# KiCad board Wrap030-ITX.kicad_pcb (continued)
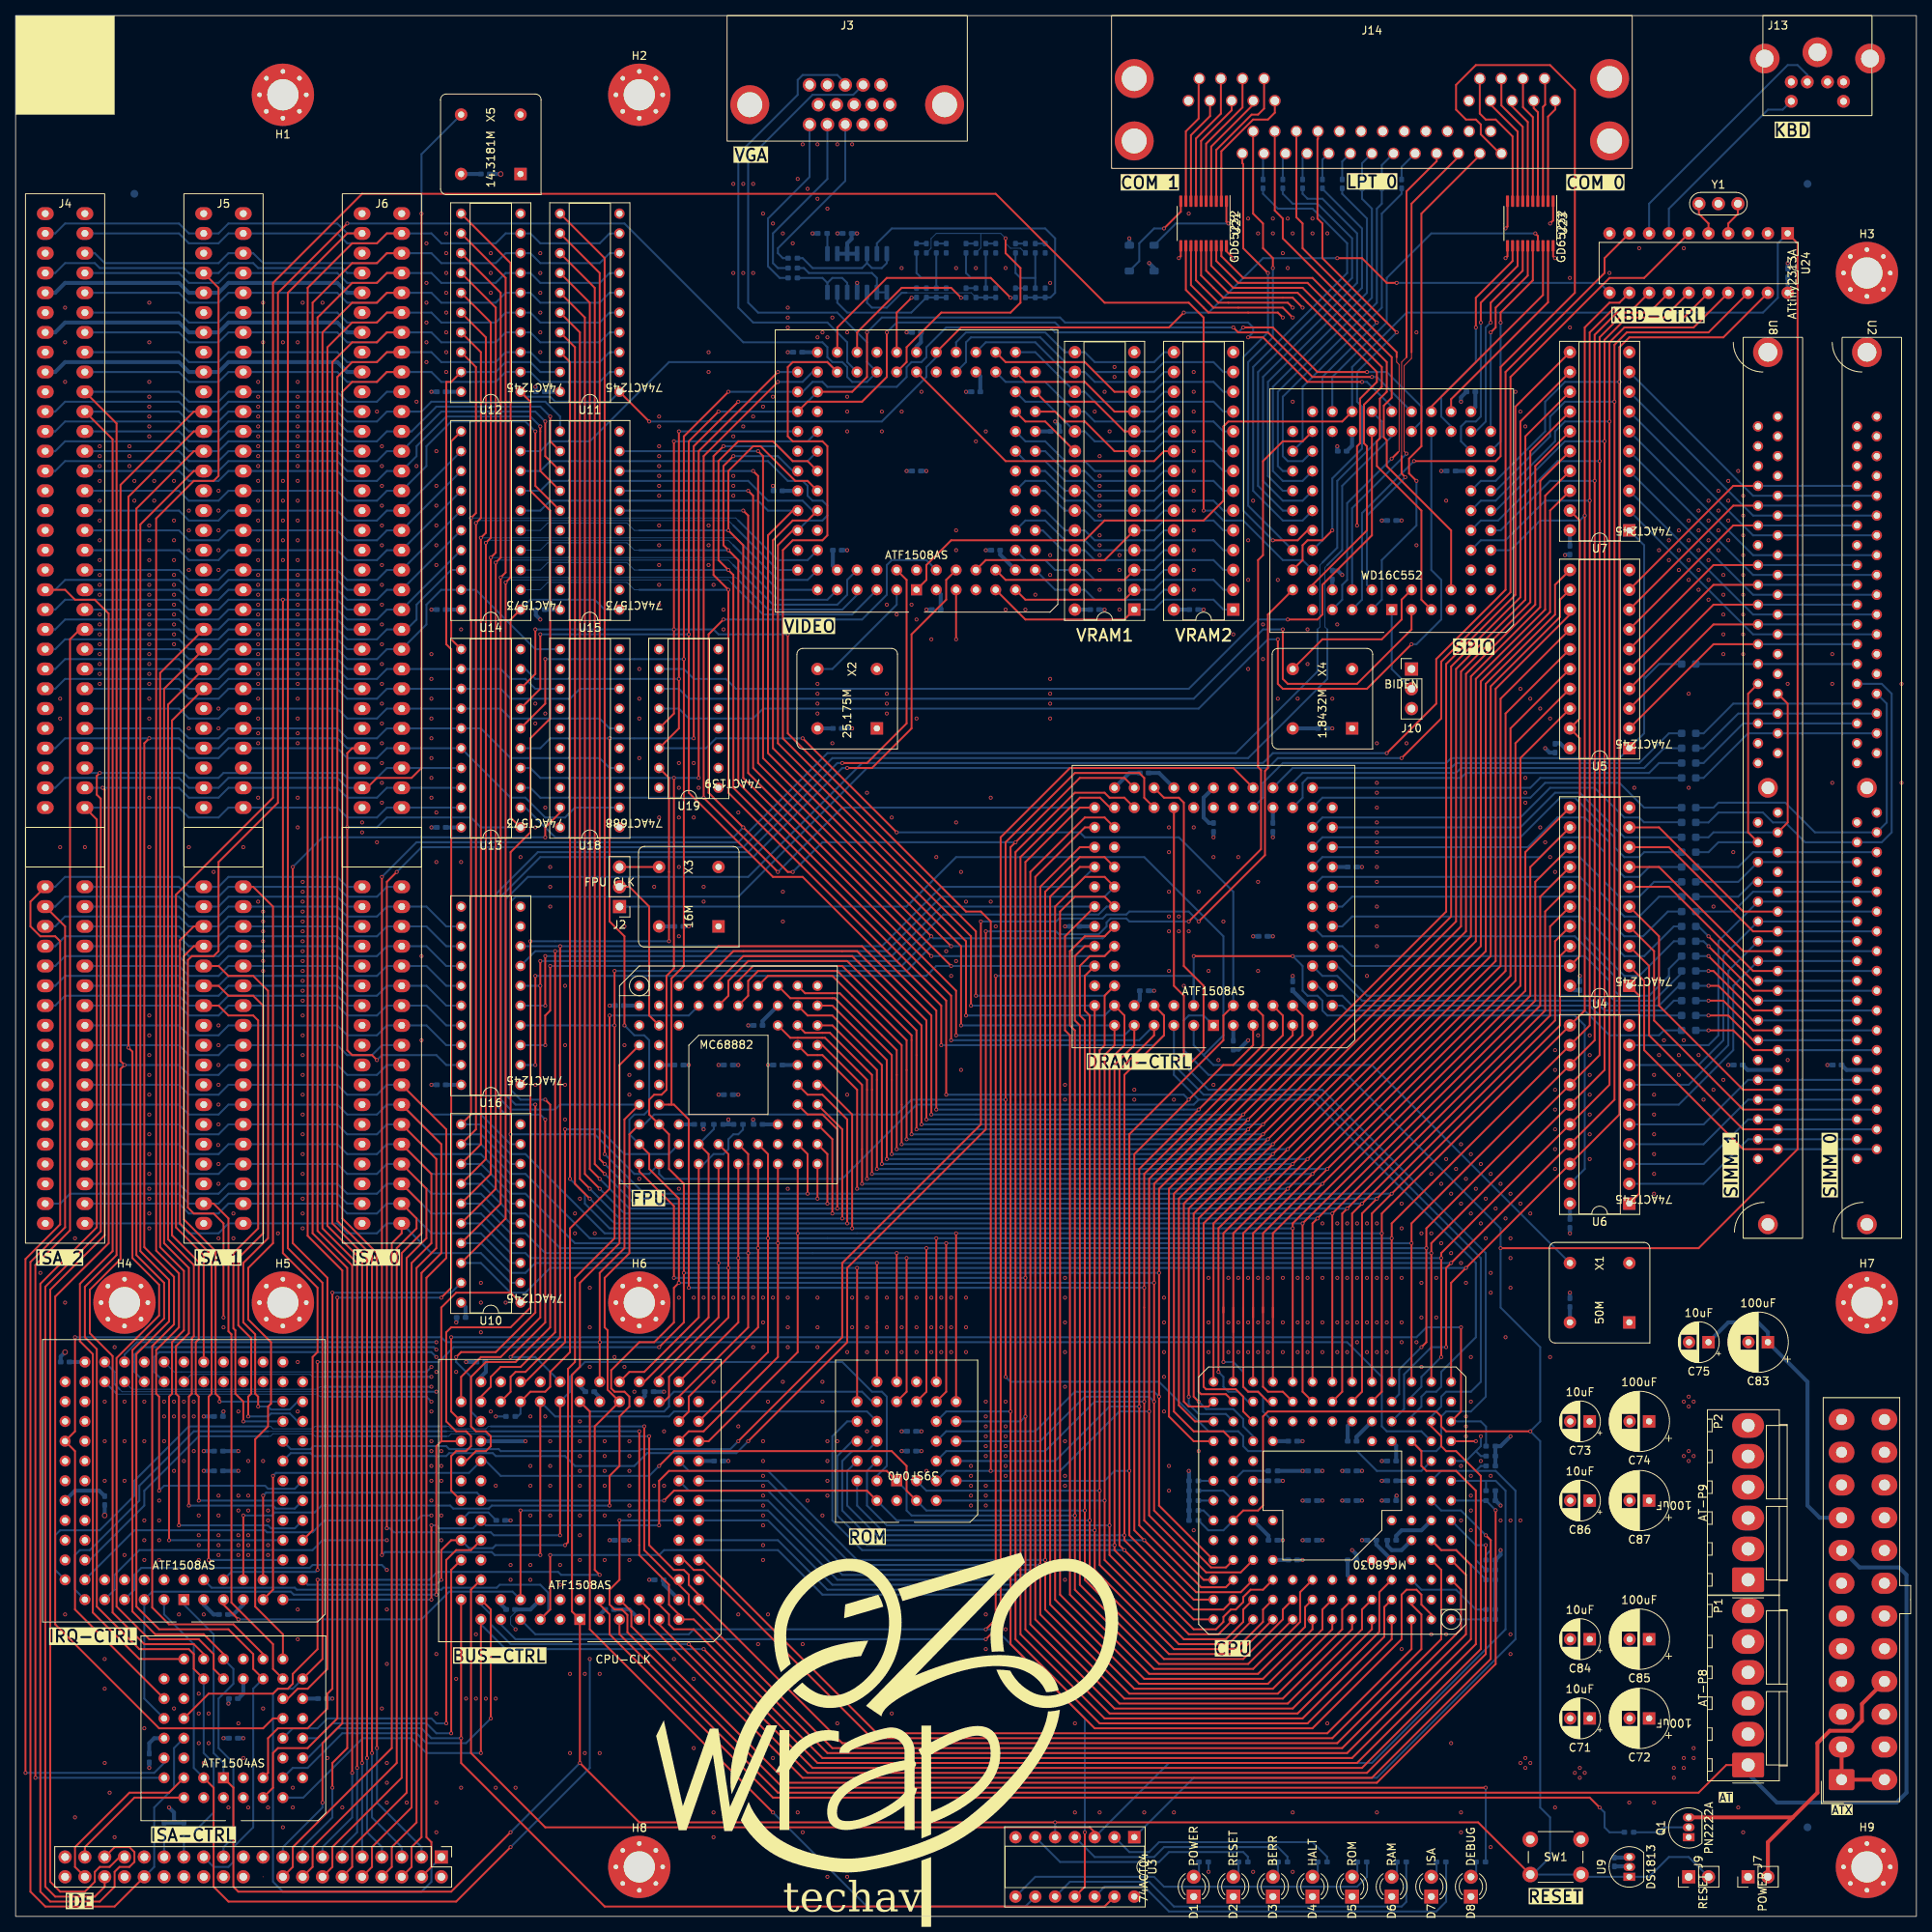
[diagram p0: board, top side]
## Routing (per net, layer and track width the routed paths; a pad name or vN(x,y) marks a point on that pad's centre or on a via; arc(x,y) is an arc through that point) (continued)
  Bottom w0.254: U32.18 35.81,49.78 32.77,49.78 32.38,50.17 v1(20.95,50.17) ; J4.23 5.08,162.56 6.35,163.83 20.95,163.83 22.23,162.56 J5.23 26.03,162.56 27.3,163.83 41.27,163.83 42.54,162.56 J6.23
ISA-IRQ6: length 178.6
  Top w0.254: v1(19.69,48.26) 19.69,66.68 20.07,67.06 20.07,73.66 21.59,75.18 21.59,82.8 18.54,85.85 18.54,159.51 J5.22
  Bottom w0.254: J6.22 42.54,165.1 41.27,166.37 27.3,166.37 26.03,165.1 J5.22 22.23,165.1 20.95,166.37 6.35,166.37 5.08,165.1 J4.22 ; v1(19.69,48.26) U32.17
ISA-IRQ7: length 166
  Top w0.254: U32.16 38.1,49.53 38.1,71.75 38.73,72.39 38.73,80.65 34.29,85.09 v1(34.29,168.91)
  Bottom w0.254: J6.21 42.54,167.64 41.27,168.91 v1(34.29,168.91) 27.3,168.91 26.03,167.64 J5.21 22.23,167.64 20.95,168.91 6.35,168.91 5.08,167.64 J4.21
ISA-IRQ10: length 137.4
  Top w0.254: J5.65 22.86,127 21.08,125.22 21.08,88.9 25.15,84.84 25.15,67.06 24.77,66.68 v1(24.77,45.72)
  Bottom w0.254: J4.65 5.08,127 6.35,128.27 20.95,128.27 22.23,127 J5.65 26.03,127 27.3,128.27 41.27,128.27 42.54,127 J6.65 ; U32.15 v1(24.77,45.72)
ISA-IRQ11: length 113
  Top w0.254: v1(26.16,66.04) 26.16,66.55 25.65,67.06 25.65,85.34 21.59,89.41 21.59,123.19 22.86,124.46 J5.66
  Bottom w0.254: J4.66 5.08,124.46 6.35,125.73 20.95,125.73 22.23,124.46 J5.66 26.03,124.46 27.3,125.73 41.27,125.73 42.54,124.46 J6.66 ; v1(26.16,66.04) U32.31
ISA-IRQ12: length 114.1
  Top w0.254: v1(31.12,65.41) 31.12,66.68 30.73,67.06 30.73,74.68 29.21,76.2 29.21,83.82 32.38,87 32.38,118.75 30.48,120.65 27.3,120.65 26.03,121.92 J5.67
  Bottom w0.254: J4.67 5.08,121.92 6.35,123.19 20.95,123.19 22.23,121.92 J5.67 26.03,121.92 27.3,123.19 41.27,123.19 42.54,121.92 J6.67 ; v1(31.12,65.41) 32.38,65.41 32.77,65.02 35.18,65.02 36.2,66.04 U32.30
ISA-IRQ14: length 108.9
  Top w0.254: v1(29.21,63.5) 29.21,66.04 28.19,67.06 28.19,75.18 27.94,75.44 27.94,85.09 31.12,88.27 31.12,114.94 30.48,115.57 27.3,115.57 26.03,116.84 J5.69
  Bottom w0.254: v1(29.21,63.5) U32.29 ; J4.69 5.08,116.84 6.35,118.11 20.95,118.11 22.23,116.84 J5.69 26.03,116.84 27.3,118.11 41.27,118.11 42.54,116.84 J6.69
ISA-IRQ15: length 113.8
  Top w0.254: v1(29.84,64.14) 29.84,66.68 30.23,67.06 30.23,74.17 28.57,75.82 28.57,84.46 31.75,87.63 31.75,116.84 30.48,118.11 27.3,118.11 26.03,119.38 J5.68
  Bottom w0.254: U32.28 36.2,63.5 35.18,64.52 32.77,64.52 32.38,64.14 v1(29.84,64.14) ; J4.68 5.08,119.38 6.35,120.65 20.95,120.65 22.23,119.38 J5.68 26.03,119.38 27.3,120.65 41.27,120.65 42.54,119.38 J6.68
PWR_OK: length 217.6
  Top w0.254: GLUE1.5 77.47,36.19 97.79,15.88 215.9,15.88 219.44,19.42 P1.1
  Bottom w0.508: J8.8 234.36,46.94 236.54,44.77 241.62,44.77 242.57,43.81 242.57,15.88 241.3,14.61 225.94,14.61 222.25,18.3 P1.1
PWR_ON_L: length 146.8
  Top w0.254: v1(203.2,13.97) 201.93,15.24 97.16,15.24 76.2,36.19 76.2,38.74 74.93,40 GLUE1.4
  Bottom w0.254: v1(203.2,13.97) 203.83,13.34 203.83,11.43 204.47,10.8 R4.1
R/~{W}: length 554.9
  Top w0.254: 54.61,60.96 54.61,78.11 56.51,80.01 63.5,80.01 ; 54.61,60.96 53.98,60.33 v1(53.98,41.28) ; 54.61,60.96 GLUE1.58 ; U12.1 66.04,194.31 66.04,182.88 68.58,180.34 68.58,153.67 66.04,151.13 66.04,139.06 63.5,136.53 v1(63.5,100.33) 63.5,80.01 ; 63.5,80.01 U10.1 ; VGEN1.41 121.28,203.84 147.95,203.84 v1(149.86,205.74) ; v1(81.28,191.77) U11.1 ; v1(177.16,209.55) 175.89,209.55 172.72,212.73 v1(169.54,212.73)
  Bottom w0.254: v1(63.5,100.33) 74.29,100.33 79.38,95.25 81.28,95.25 U1.K2 82.55,95.25 83.19,94.62 106.04,94.62 115.57,104.14 151.13,104.14 151.76,104.78 ; U11.1 76.2,194.31 69.22,194.31 68.58,194.94 65.41,194.94 U12.1 ; v1(81.28,191.77) 111.12,191.77 116.84,197.49 116.84,198.75 118.11,200.03 VGEN1.41 ; 151.76,104.78 148.59,107.95 RAMC1.81 ; 151.76,104.78 166.37,104.78 187.32,83.82 187.32,74.3 182.88,69.85 182.88,67.94 182.25,67.31 180.97,67.31 180.34,66.68 180.34,65.41 179.07,64.14 CPU1.L3 ; U17.33 16.51,27.94 U32.81 17.53,41.66 35.31,41.66 35.69,41.28 v1(53.98,41.28) ; v1(149.86,205.74) 153.03,205.74 160.02,212.73 v1(169.54,212.73) ; v1(177.16,209.55) 203.2,209.55 U24.11
SIZ0: length 332.5
  Top w0.254: v1(149.22,109.86) 149.86,110.49 149.86,118.11 148.59,119.38 RAMC1.48 ; v1(86.36,34.93) 102.23,19.05 172.72,19.05 187.96,34.29 187.96,56.52 184.78,59.69 183.51,59.69 182.88,60.33 182.88,61.59 181.61,62.87 CPU1.L2 ; v1(60.96,25.4) 60.96,39.37 GLUE1.76
  Bottom w0.254: v1(149.22,109.86) 149.22,108.59 152.4,105.41 167,105.41 187.96,84.46 187.96,68.58 186.69,67.31 183.51,67.31 182.88,66.68 182.88,65.41 181.61,64.14 CPU1.L2 ; v1(86.36,34.93) 63.5,34.93 60.96,37.47 60.96,38.74 59.69,40 GLUE1.76 ; U17.8 35.56,19.05 37.46,19.05 41.91,23.5 51.43,23.5 52.71,22.22 57.79,22.22 v1(60.96,25.4)
SIZ1: length 342.3
  Top w0.254: v1(150.5,109.22) 152.4,111.12 152.4,119.38 149.86,121.92 149.86,142.88 149.22,143.51 147.32,143.51 RAMC1.49 ; v1(59.69,20.96) GLUE1.75 ; v1(88.26,34.29) 102.87,19.69 172.08,19.69 187.32,34.93 187.32,54.61 184.78,57.15 180.97,57.15 180.34,57.78 180.34,59.69 CPU1.K3
  Bottom w0.254: CPU1.K3 180.34,59.69 182.25,59.69 182.88,60.33 182.88,64.14 183.51,64.77 186.69,64.77 188.59,66.68 188.59,85.09 167.64,106.05 153.03,106.05 150.5,108.59 v1(150.5,109.22) ; GLUE1.75 59.69,37.47 62.87,34.29 v1(88.26,34.29) ; U17.6 36.91,15.24 44.53,22.86 50.8,22.86 52.71,20.96 v1(59.69,20.96)
SPIO-INT0: length 239.2
  Top w0.254: v1(150.5,127.64) 159.77,136.91 159.77,147.07 159.38,147.45 159.38,173.99 160.02,174.62 160.02,186.69 162.56,189.23 165.1,189.23 U20.45 ; v1(124.46,126.37) 124.46,100.97 106.68,83.19 106.68,73.66 v1(93.98,60.96)
  Bottom w0.254: v1(93.98,60.96) 92.46,59.44 81.03,59.44 79.38,57.78 71.75,57.78 70.48,59.06 61.6,59.06 61.21,59.44 55.63,59.44 55.24,59.06 38.23,59.06 37.85,59.44 35.31,59.44 U32.25 ; v1(150.5,127.64) 142.88,127.64 142.49,128.02 140.46,128.02 139.95,127.51 139.95,127 138.94,125.98 133.86,125.98 133.48,126.37 v1(124.46,126.37)
SPIO-INT1: length 215.9
  Top w0.254: v1(92.71,60.96) 106.04,74.3 106.04,83.82 123.82,101.6 v1(123.82,127.64) ; U20.60 160.66,167 160.66,147.32 160.27,146.94 160.27,136.14 v1(151.76,127.64)
  Bottom w0.254: v1(123.82,127.64) 133.48,127.64 133.86,128.02 139.45,128.02 139.95,128.52 142.49,128.52 142.88,128.91 150.5,128.91 v1(151.76,127.64) ; U32.27 35.31,59.94 37.85,59.94 38.23,60.33 55.24,60.33 55.63,59.94 61.98,59.94 62.23,59.69 80.01,59.69 80.26,59.94 91.69,59.94 v1(92.71,60.96)
VID-V: length 316.6
  Top w0.254: v1(42.54,217.17) 33.66,208.28 33.66,142.88 26.03,135.25 26.03,123.83 25.4,123.19 22.61,123.19 22.1,122.68 22.1,90.93 22.86,90.17 25.4,90.17 26.67,88.9 v1(26.67,76.84)
  In1.Cu w0.254: v1(26.67,76.84) 27.94,75.56 27.94,62.23 30.48,59.69 35.56,59.69 U32.24
  Bottom w0.254: v1(42.54,217.17) 78.1,217.17 93.34,201.93 103.5,201.93 104.14,201.3 104.14,200.03 104.78,199.39 106.04,199.39 106.68,198.75 106.68,197.49 107.31,196.85 109.22,196.85 VGEN1.48 109.22,199.39 109.22,201.93 105.41,205.74 95.25,205.74 93.98,207.01 93.98,225.43 102.23,233.68 107.45,233.68 J3.14
~{AS}: length 333.1
  Top w0.254: U17.34 24.77,28.58 33.02,28.58 33.66,29.21 34.93,29.21 35.56,29.84 35.56,31.12 38.73,34.29 v1(38.73,43.18) ; RAMC1.50 144.78,143.51 144.78,146.05 144.14,146.69 135.89,146.69 127,137.8 v1(127,104.78) v1(127,69.22) ; U1.H1 78.74,100.33 78.74,85.09 75.56,81.92 75.56,75.56 75.95,75.18 75.95,67.56 GLUE1.40 74.29,62.87 74.29,44.45 v1(74.93,43.81)
  Bottom w0.254: v1(38.73,43.18) 53.09,43.18 54.1,44.2 69.6,44.2 69.98,43.81 v1(74.93,43.81) ; U1.H1 80.65,101.6 81.91,102.87 113.03,102.87 114.94,104.78 v1(127,104.78) ; v1(127,69.22) 127.63,68.58 146.69,68.58 153.03,62.23 156.84,62.23 157.48,61.59 157.48,60.33 158.11,59.69 172.08,59.69 174.62,57.15 180.34,57.15 CPU1.J2
~{AVEC}: length 145
  Top w0.254: GLUE1.10 82.55,40 83.82,38.74 83.82,37.47 84.46,36.83 87,36.83 103.5,20.32 171.45,20.32 186.69,35.56 186.69,45.09 184.78,46.99 182.88,46.99 CPU1.E2
  Bottom w0.254: CPU1.E2 182.88,46.99 184.82,46.99 R21.1
~{BERR}: length 197.9
  Top w0.254: U3.3 138.43,10.8 137.79,11.43 67.94,11.43 58.42,20.96 58.42,41.91 GLUE1.73
  Bottom w0.254: 188.59,55.88 188.63,55.84 R25.1 ; U3.3 147.95,19.69 173.99,19.69 191.13,36.83 191.13,54.61 189.86,55.88 CPU1.H1
~{BGACK}: length 11.1
  Bottom w0.254: R20.1 187.32,39.37 184.78,41.91 180.34,41.91 CPU1.C3
~{BR}: length 4.5
  Bottom w0.254: CPU1.A1 R19.1
~{BUS-DSACK0}: length 38.4
  Top w0.254: U1.J4 88.9,97.79 88.9,76.84 80.65,68.58 GLUE1.37
  Bottom w0.254: U1.J4 89.57,101 R30.1
~{BUS-DSACK1}: length 42.2
  Top w0.254: U1.K4 87.63,76.84 80.65,69.85 78.74,69.85 GLUE1.39
  Bottom w0.254: R29.1 93.31,100.93 92.71,100.33 92.07,100.33 91.44,99.69 91.44,98.43 90.81,97.79 89.53,97.79 88.26,96.52 U1.K4
~{CBACK}: length 108.8
  In1.Cu w0.254: v1(187.96,61.59) 189.86,63.5 189.86,83.19 161.92,111.12 161.92,112.9 162.31,113.28 162.31,118.36 161.92,118.75 161.92,123.83 149.86,135.89 149.86,143.51 RAMC1.45
  Bottom w0.254: 187.32,59.69 186.05,58.42 CPU1.J1 ; 187.32,59.69 187.96,59.06 R13.1 ; 187.32,59.69 187.96,60.33 v1(187.96,61.59)
~{CBREQ}: length 102.8
  Top w0.254: CPU1.K1 v1(187.32,60.96)
  In1.Cu w0.254: v1(187.32,60.96) 189.86,60.96 190.5,61.59 190.5,83.82 163.19,111.12 163.19,112.65 162.81,113.03 162.81,118.36 163.19,118.75 163.19,126.37 154.94,134.62 154.94,140.97 RAMC1.44
~{CDIS}: length 5
  Bottom w0.254: CPU1.H12 157.48,57.15 R15.1
~{CIIN}: length 161.2
  Top w0.254: GLUE1.56 55.88,64.77 v1(55.88,74.3) ; v1(185.42,75.56) 185.42,64.77 CPU1.L1
  Bottom w0.254: CPU1.L1 187.96,63.5 188.63,62.83 R14.1 ; v1(185.42,75.56) 180.97,75.56 179.7,74.3 v1(55.88,74.3)
~{DSACK0}: length 144.4
  Top w0.254: GLUE1.9 82.55,37.47 101.6,18.42 173.35,18.42 188.59,33.66 v1(188.59,47.62)
  Bottom w0.254: R22.1 188.59,44.45 187.32,45.72 187.32,47.62 ; 187.32,47.62 CPU1.F1 ; 187.32,47.62 v1(188.59,47.62)
~{DSACK1}: length 154.8
  Top w0.254: GLUE1.8 81.28,39.37 81.28,37.47 100.97,17.78 173.99,17.78 189.23,33.02 189.23,48.26 v1(188.59,48.9)
  Bottom w0.254: CPU1.G2 182.88,52.07 185.42,52.07 v1(188.59,48.9) 189.23,48.26 189.23,46.99 188.63,46.39 R23.1
~{DS}: length 402
  Top w0.254: VGEN1.6 119.38,171.45 119.38,168.91 114.94,164.47 114.94,152.4 109.85,147.32 v1(106.68,147.32) ; GLUE1.41 v1(74.93,73.66) 74.93,82.55 78.1,85.72 78.1,102.24 U1.G1 ; v1(7.62,74.3) 7.62,62.23 U32.60 7.62,59.69 7.62,39.37 U17.31
  Bottom w0.254: U1.G1 69.85,104.14 69.22,103.5 63.5,103.5 62.23,104.78 62.23,130.81 67.31,135.89 94.62,135.89 106.04,147.32 v1(106.68,147.32) ; v1(7.62,74.3) 54.61,74.3 55.24,73.66 v1(74.93,73.66) 170.81,73.66 175.26,69.22 175.26,62.87 175.89,62.23 180.34,62.23 CPU1.K2
~{FPU-CE}: length 51.6
  Top w0.254: v1(70.48,100.97) 70.48,73.66 65.41,68.58 GLUE1.49
  Bottom w0.254: v1(70.48,100.97) 74.93,100.97 78.1,97.79 83.82,97.79 U1.J3
~{FPU-SENSE}: length 69.4
  Top w0.254: GLUE1.50 66.04,67.31 67.94,67.31 68.58,67.94 68.58,69.85 71.12,72.39 71.12,88.27 76.2,93.34 v1(76.2,115.57)
  Bottom w0.254: U1.B4 86.36,115.57 v1(76.2,115.57) ; GLUE1.50 64.77,64.49 64.41,64.14
~{HALT}: length 92.4
  Bottom w0.254: U3.1 151.13,17.78 174.62,17.78 192.41,35.56 192.41,54.61 189.86,57.15 187.32,57.15 ; 187.32,57.15 187.96,57.78 R26.1 ; 187.32,57.15 182.88,57.15 CPU1.H2
~{IPL0}: length 155.3
  In1.Cu w0.254: CPU1.H13 132.08,55.88 127,50.8 105.41,50.8 101.6,54.61 56.51,54.61 v1(53.34,51.44)
  Bottom w0.254: U32.76 15.24,49.53 32,49.53 32.26,49.28 38.1,49.28 39.62,50.8 51.43,50.8 52.07,51.44 v1(53.34,51.44) ; R16.1 CPU1.H13
~{IPL1}: length 151.1
  In1.Cu w0.254: CPU1.G13 153.03,53.97 133.98,53.97 129.54,49.53 54.61,49.53 53.34,48.26 v1(47.62,48.26)
  Bottom w0.254: U32.77 12.7,41.91 12.7,43.81 15.88,46.99 38.1,46.99 39.37,48.26 v1(47.62,48.26) ; CPU1.G13 R18.1
~{IPL2}: length 155.3
  In1.Cu w0.254: v1(47.62,44.45) 124.46,44.45 126.36,46.36 149.22,46.36 152.4,49.53 154.3,49.53 154.94,50.17 154.94,52.07 CPU1.G12
  Bottom w0.254: CPU1.G12 154.94,54.61 R17.1 ; v1(47.62,44.45) 46.99,45.09 38.1,45.09 37.72,44.7 16.13,44.7 15.24,43.81 15.24,41.91 U32.79
~{ISA-CE}: length 135.4
  Top w0.254: U3.13 139.7,1.27 75.56,1.27 57.15,19.69 v1(57.15,22.86) GLUE1.74
  Bottom w0.254: v1(57.15,22.86) 53.34,22.86 52.07,24.13 41.27,24.13 37.46,20.32 U17.9
~{ISA-DACK8}: length 43.1
  Top w0.254: v1(55.88,23.5) 55.88,44.45 GLUE1.70
  Bottom w0.254: U17.11 38.73,22.86 40.64,24.77 52.71,24.77 53.98,23.5 v1(55.88,23.5)
~{ISA-DACK16}: length 48.7
  Top w0.254: GLUE1.69 58.42,46.99 56.51,46.99 55.24,45.72 v1(55.24,24.77)
  Bottom w0.254: U17.12 35.56,24.13 38.73,24.13 40.01,25.4 53.34,25.4 53.98,24.77 v1(55.24,24.77)
~{MEM-RD}: length 340.3
  Top w0.254: v1(46.99,133.35) v1(46.99,46.36) ; v1(67.31,46.36) GLUE1.48
  Bottom w0.127: 167,165.1 167.32,165.42 167.32,173.36 167.64,173.67
  Bottom w0.254: ROM1.24 109.22,64.77 84.46,64.77 83.82,64.14 69.22,64.14 GLUE1.48 ; v1(46.99,133.35) 51.43,137.8 92.71,137.8 104.14,149.23 156.53,149.23 167,159.7 167,165.1 ; 167.64,173.67 169.54,175.58 169.54,184.15 175.26,189.87 175.26,191.77 U20.37 ; v1(67.31,46.36) 61.47,46.36 61.09,46.74 47.37,46.74 v1(46.99,46.36)
~{MEM-WR}: length 347.8
  Top w0.254: v1(48.9,133.99) 47.62,132.72 v1(47.62,49.78) ; v1(69.85,48.9) GLUE1.46
  Bottom w0.127: 168.28,165.1 167.96,165.42 167.96,173.04 168.28,173.36
  Bottom w0.254: v1(47.62,49.78) 48.01,49.78 48.51,49.28 60.96,49.28 61.34,48.9 v1(69.85,48.9) ; 168.28,165.1 168.28,158.75 158.11,148.59 104.78,148.59 93.34,137.16 52.07,137.16 v1(48.9,133.99) ; GLUE1.46 71.12,67.31 71.12,69.22 73.03,71.12 106.04,71.12 109.85,67.31 111.12,67.31 111.76,66.68 111.76,57.78 110.49,56.52 ROM1.31 ; 168.28,173.36 170.18,175.26 170.18,183.51 176.53,189.87 U20.36
~{MMUDIS}: length 2.5
  Bottom w0.254: R28.1 152.4,52.07 CPU1.F13
~{PS2-ACK}: length 278.5
  Top w0.254: v1(56.51,71.75) 57.15,72.39 61.6,72.39 66.68,77.47 v1(66.68,104.14) ; v1(175.89,149.23) 182.25,155.57 182.25,161.29 191.13,170.18 191.13,198.12 203.83,210.82 203.83,212.73 U24.9
  Bottom w0.254: GLUE1.57 58.42,64.77 58.42,69.22 56.51,71.12 v1(56.51,71.75) ; v1(66.68,104.14) 64.13,104.14 62.87,105.41 62.87,130.49 65.72,133.35 93.98,133.35 108.58,147.96 160.02,147.96 161.29,149.23 v1(175.89,149.23)
~{PS2-ATN}: length 293.7
  Top w0.254: v1(177.8,148.59) 182.88,153.67 182.88,160.97 191.77,169.86 191.77,197.49 204.47,210.19 208.91,210.19 U24.6 ; GLUE1.60 57.79,58.42 59.05,59.69 60.32,59.69 60.96,60.33 60.96,61.59 60.32,62.23 59.05,62.23 58.42,62.87 58.42,69.22 60.32,71.12 64.13,71.12 68.58,75.56 68.58,104.14 v1(67.94,104.78)
  Bottom w0.254: v1(67.94,104.78) 64.77,104.78 63.5,106.05 63.5,130.18 64.13,130.81 92.71,130.81 109.22,147.32 160.66,147.32 161.92,148.59 v1(177.8,148.59)
~{RAM-CE}: length 395.6
  Top w0.254: U4.19 200.66,123.19 200.66,151.13 U5.19 200.66,153.67 200.66,179.07 U7.19 ; v1(125.73,120.65) 125.73,38.1 v1(124.46,36.83) ; v1(151.13,123.19) v1(163.83,123.19) ; U3.11 137.16,3.81 v1(137.16,10.8)
  Bottom w0.254: 151.13,120.65 RAMC1.84 151.13,120.65 ; 151.13,120.65 v1(125.73,120.65) ; 151.13,120.65 v1(151.13,123.19) ; U6.19 201.29,95.89 201.29,114.3 200.03,115.57 168.28,115.57 167.64,116.21 167.64,117.47 167,118.11 165.73,118.11 165.1,118.75 165.1,121.92 v1(163.83,123.19) 170.18,123.19 171.45,121.92 U4.19 ; GLUE1.79 66.68,36.19 86.36,36.19 87,36.83 v1(124.46,36.83) 125.73,36.83 137.16,25.4 v1(137.16,10.8)
~{RAM-DSACK}: length 204.4
  Top w0.254: v1(124.46,35.56) 126.36,37.47 126.36,138.43 135.25,147.32 156.21,147.32 RAMC1.39
  Bottom w0.254: v1(124.46,35.56) 64.13,35.56 62.23,37.47 GLUE1.77
~{RESET}: length 852.3
  Top w0.254: U20.39 170.18,191.77 155.57,191.77 154.94,191.13 154.94,181.61 152.4,179.07 139.7,179.07 137.16,176.53 120.01,176.53 116.84,173.36 116.84,171.45 VGEN1.1 ; U1.D1 77.47,109.22 77.47,86.36 72.39,81.28 72.39,70.49 71.37,69.47 71.37,39.12 GLUE1.1 v1(72.39,19.69) 80.01,12.06 v1(133.35,12.06) 187.61,12.06 SW1.1 ; v1(63.5,10.8) 55.88,3.18 28.57,3.18 27.94,3.81 27.94,16.51 U17.1 ; U24.1 228.6,214.63 228.6,98.43 215.9,85.72 v1(190.5,85.72) ; v1(194.31,62.23) 183.51,62.23 182.88,62.87 182.88,64.14 182.25,64.77 160.66,64.77 160.02,64.14 160.02,52.71 159.38,52.07 157.48,52.07 CPU1.F12
  Bottom w0.254: U20.39 171.45,198.75 178.44,205.74 224.16,205.74 226.06,207.65 226.06,214.63 U24.1 ; U32.1 21.59,40 25.4,36.19 25.4,20.96 26.67,19.69 U17.1 ; J9.2 214.63,7.62 212.09,7.62 209.55,5.08 U9.1 201.1,5.08 SW1.1 SW1.1 194.6,5.37 196.85,7.62 196.85,12.7 195.58,13.97 195.58,60.96 v1(194.31,62.23) 195.58,63.5 195.58,73.03 190.5,78.11 190.5,88.27 170.81,107.95 153.03,107.95 149.86,111.12 149.86,114.94 150.5,115.57 152.4,115.57 RAMC1.1 ; R27.1 153,49.53 154.94,49.53 CPU1.F12 ; U3.5 v1(133.35,12.06) ; v1(72.39,19.69) v1(63.5,10.8)
~{ROM-CE}: length 143.1
  Top w0.254: v1(97.16,13.34) 73.66,36.83 73.66,64.77 GLUE1.44
  Bottom w0.254: v1(97.16,13.34) 109.22,1.27 129.54,1.27 U3.9 ; GLUE1.44 73.66,64.77 83.19,64.77 83.82,65.41 83.82,66.68 84.46,67.31 108.58,67.31 109.85,66.04 ROM1.22
~{SPIO-CE}: length 125.6
  Top w0.254: U19.15 83.82,146.05 v1(83.82,125.09) ; v1(66.04,125.09) 66.04,78.11 63.5,75.56 55.88,75.56 55.24,74.93 55.24,63.5 56.51,62.23 57.79,62.23 58.42,61.59 58.42,60.33 57.79,59.69 56.51,59.69 55.88,59.06 55.88,54.61 GLUE1.64
  Bottom w0.254: v1(83.82,125.09) v1(66.04,125.09)
~{SPIO-INT2}: length 317.6
  Top w0.254: U32.41 24.13,84.84 20.57,88.39 20.57,131.06 33.02,143.51 33.02,209.55 44.45,220.98 125.73,220.98 139.7,207.01 150.5,207.01 152.4,205.11 v1(152.4,180.34)
  Bottom w0.254: U20.59 165.1,173.99 162.56,173.99 157.48,179.07 154.94,179.07 153.67,180.34 v1(152.4,180.34)
~{STERM}: length 155.5
  Top w0.254: v1(189.86,52.11) 189.86,32.39 174.62,17.15 99.06,17.15 78.99,37.21 78.99,39.12 GLUE1.6
  Bottom w0.254: CPU1.G1 R24.1 v1(189.86,52.11)
~{VID-CE}: length 156.1
  Top w0.254: v1(106.04,147.96) 109.22,147.96 114.3,153.04 114.3,171.45 VGEN1.84 ; v1(67.94,102.24) 67.94,76.2 v1(63.5,71.75)
  Bottom w0.254: GLUE1.45 66.68,71.75 v1(63.5,71.75) ; v1(106.04,147.96) 105.41,147.96 93.98,136.53 66.99,136.53 61.6,131.13 61.6,104.14 62.87,102.87 67.31,102.87 v1(67.94,102.24)
~{VID-DSACK}: length 148.1
  Top w0.254: v1(120.65,163.83) VGEN1.5
  In1.Cu w0.254: v1(120.65,163.83) 120.65,155.57 114.3,149.23 101.6,149.23 68.58,116.21 68.58,62.87 61.6,55.88 GLUE1.63
Net-(J8-+3.3V-Pad1): length 62.1
  Top w0.508: J8.13 J8.1 J8.2
  In1.Cu w0.508: J8.1 232.02,17.54 229.87,19.69 229.87,61.59 232.02,63.74 J8.12
Net-(U24-PA0/XTAL1): length 4.3
  Top w0.254: Y1.1 215.94,218.4 217.17,217.17 U24.5
Net-(U24-PA1/XTAL2): length 4.3
  Top w0.254: U24.4 219.71,217.17 220.94,218.4 Y1.3
Net-(VBUF1A-OUT1): length 2.6
  Bottom w0.254: VBUF1.1 104.14,215.86 R79.1

## Copper pours and planes (outline as drawn; the poured copper is in the pictures)
+12V on Top: 196.85,29.21 224.16,29.21 225.42,30.48 225.42,59.69 227.33,61.59 234.95,61.59 236.85,59.69 236.85,55.25 234.95,53.34 229.87,53.34 228.6,52.07 228.6,27.94 226.06,25.4 214.63,25.4 210.82,21.59 196.85,21.59
+12V on In1.Cu: 21.59,199.71 33.66,199.71 33.66,196.53 21.59,196.53
-5V on Bottom: 196.85,55.88 212.09,55.88 215.26,52.71 224.79,52.71 224.79,49.53 196.85,49.53
-12V on Bottom: 196.85,38.1 212.09,38.1 217.17,33.02 224.16,33.02 233.04,24.13 241.3,24.13 242.57,22.86 242.57,20.32 241.3,19.05 233.04,19.05 224.79,27.31 224.79,28.58 224.16,29.21 215.26,29.21 211.45,33.02 196.85,33.02
GND on Top, Bottom, In2.Cu: -3.81,248.92 247.65,248.92 247.65,-5.08 -3.81,-5.08
GND on Bottom: 87.63,246.38 125.73,246.38 125.73,220.98 128.27,218.44 138.43,218.44 140.97,215.9 140.97,204.47 130.81,204.47 130.81,198.12 87.63,198.12
VCC on Top: 236.85,40.64 236.85,36.83 233.04,36.83 231.78,35.56 231.78,32.39 232.41,31.75 236.85,31.75 236.85,28.58 232.41,28.58 231.78,27.94 231.78,24.13 229.23,21.59 220.34,21.59 214.63,15.88 194.31,15.88 192.41,17.78 192.41,36.83 195.58,40 195.58,66.04 197.48,67.94 211.45,67.94 211.45,57.15 198.12,57.15 198.12,38.1 196.85,36.83 196.85,21.59 209.55,21.59 214.63,25.4 226.69,25.4 229.23,27.94 229.23,38.1 231.78,40.64
VCC on Top: 217.17,53.34 224.79,53.34 224.79,60.33 226.69,62.23 234.95,62.23 237.49,59.69 237.49,50.17 238.76,48.9 245.11,48.9 245.11,68.58 198.12,68.58 196.85,67.31 196.85,58.42 198.12,57.15 213.36,57.15
VCC on Bottom: 1.9,212.41 45.72,212.41 46.35,213.04 46.35,214.31 45.72,214.95 1.9,214.95
VCC on Bottom: 1.9,146.37 45.72,146.37 46.35,147 46.35,148.27 45.72,148.91 1.9,148.91
VCC on In1.Cu: -3.81,248.92 247.65,248.92 247.65,-5.08 -3.81,-5.08

## Text on the board
F.Silkscreen: CPU-CLK | AT | ATX | POWER | RESET | BERR | HALT | ROM | RAM | ISA | DEBUG | ISA 2 | IRQ-CTRL | ISA-CTRL | ISA 1 | ISA 0 | BUS-CTRL | VGA | VIDEO | DRAM-CTRL | COM 1 | CPU | COM 0 | KBD-CTRL | KBD | LPT 0 | IDE | FPU | SPIO | SIMM 1 | SIMM 0 | techav
